# Altium PCB FMC_DAC_125M_14B_16CHA.PcbDoc (part 4 of 9)
Units mm, origin at the board's own origin, x right, y up, seen from the top; angles counter-clockwise.
Board outline 77.15 x 69 mm, 8 copper layers (L1, P2, L3, P4, L5, P6, L7, L8), stack 1.438 mm thick; 612 components, 516 nets, 2304 pads, 1339 vias.
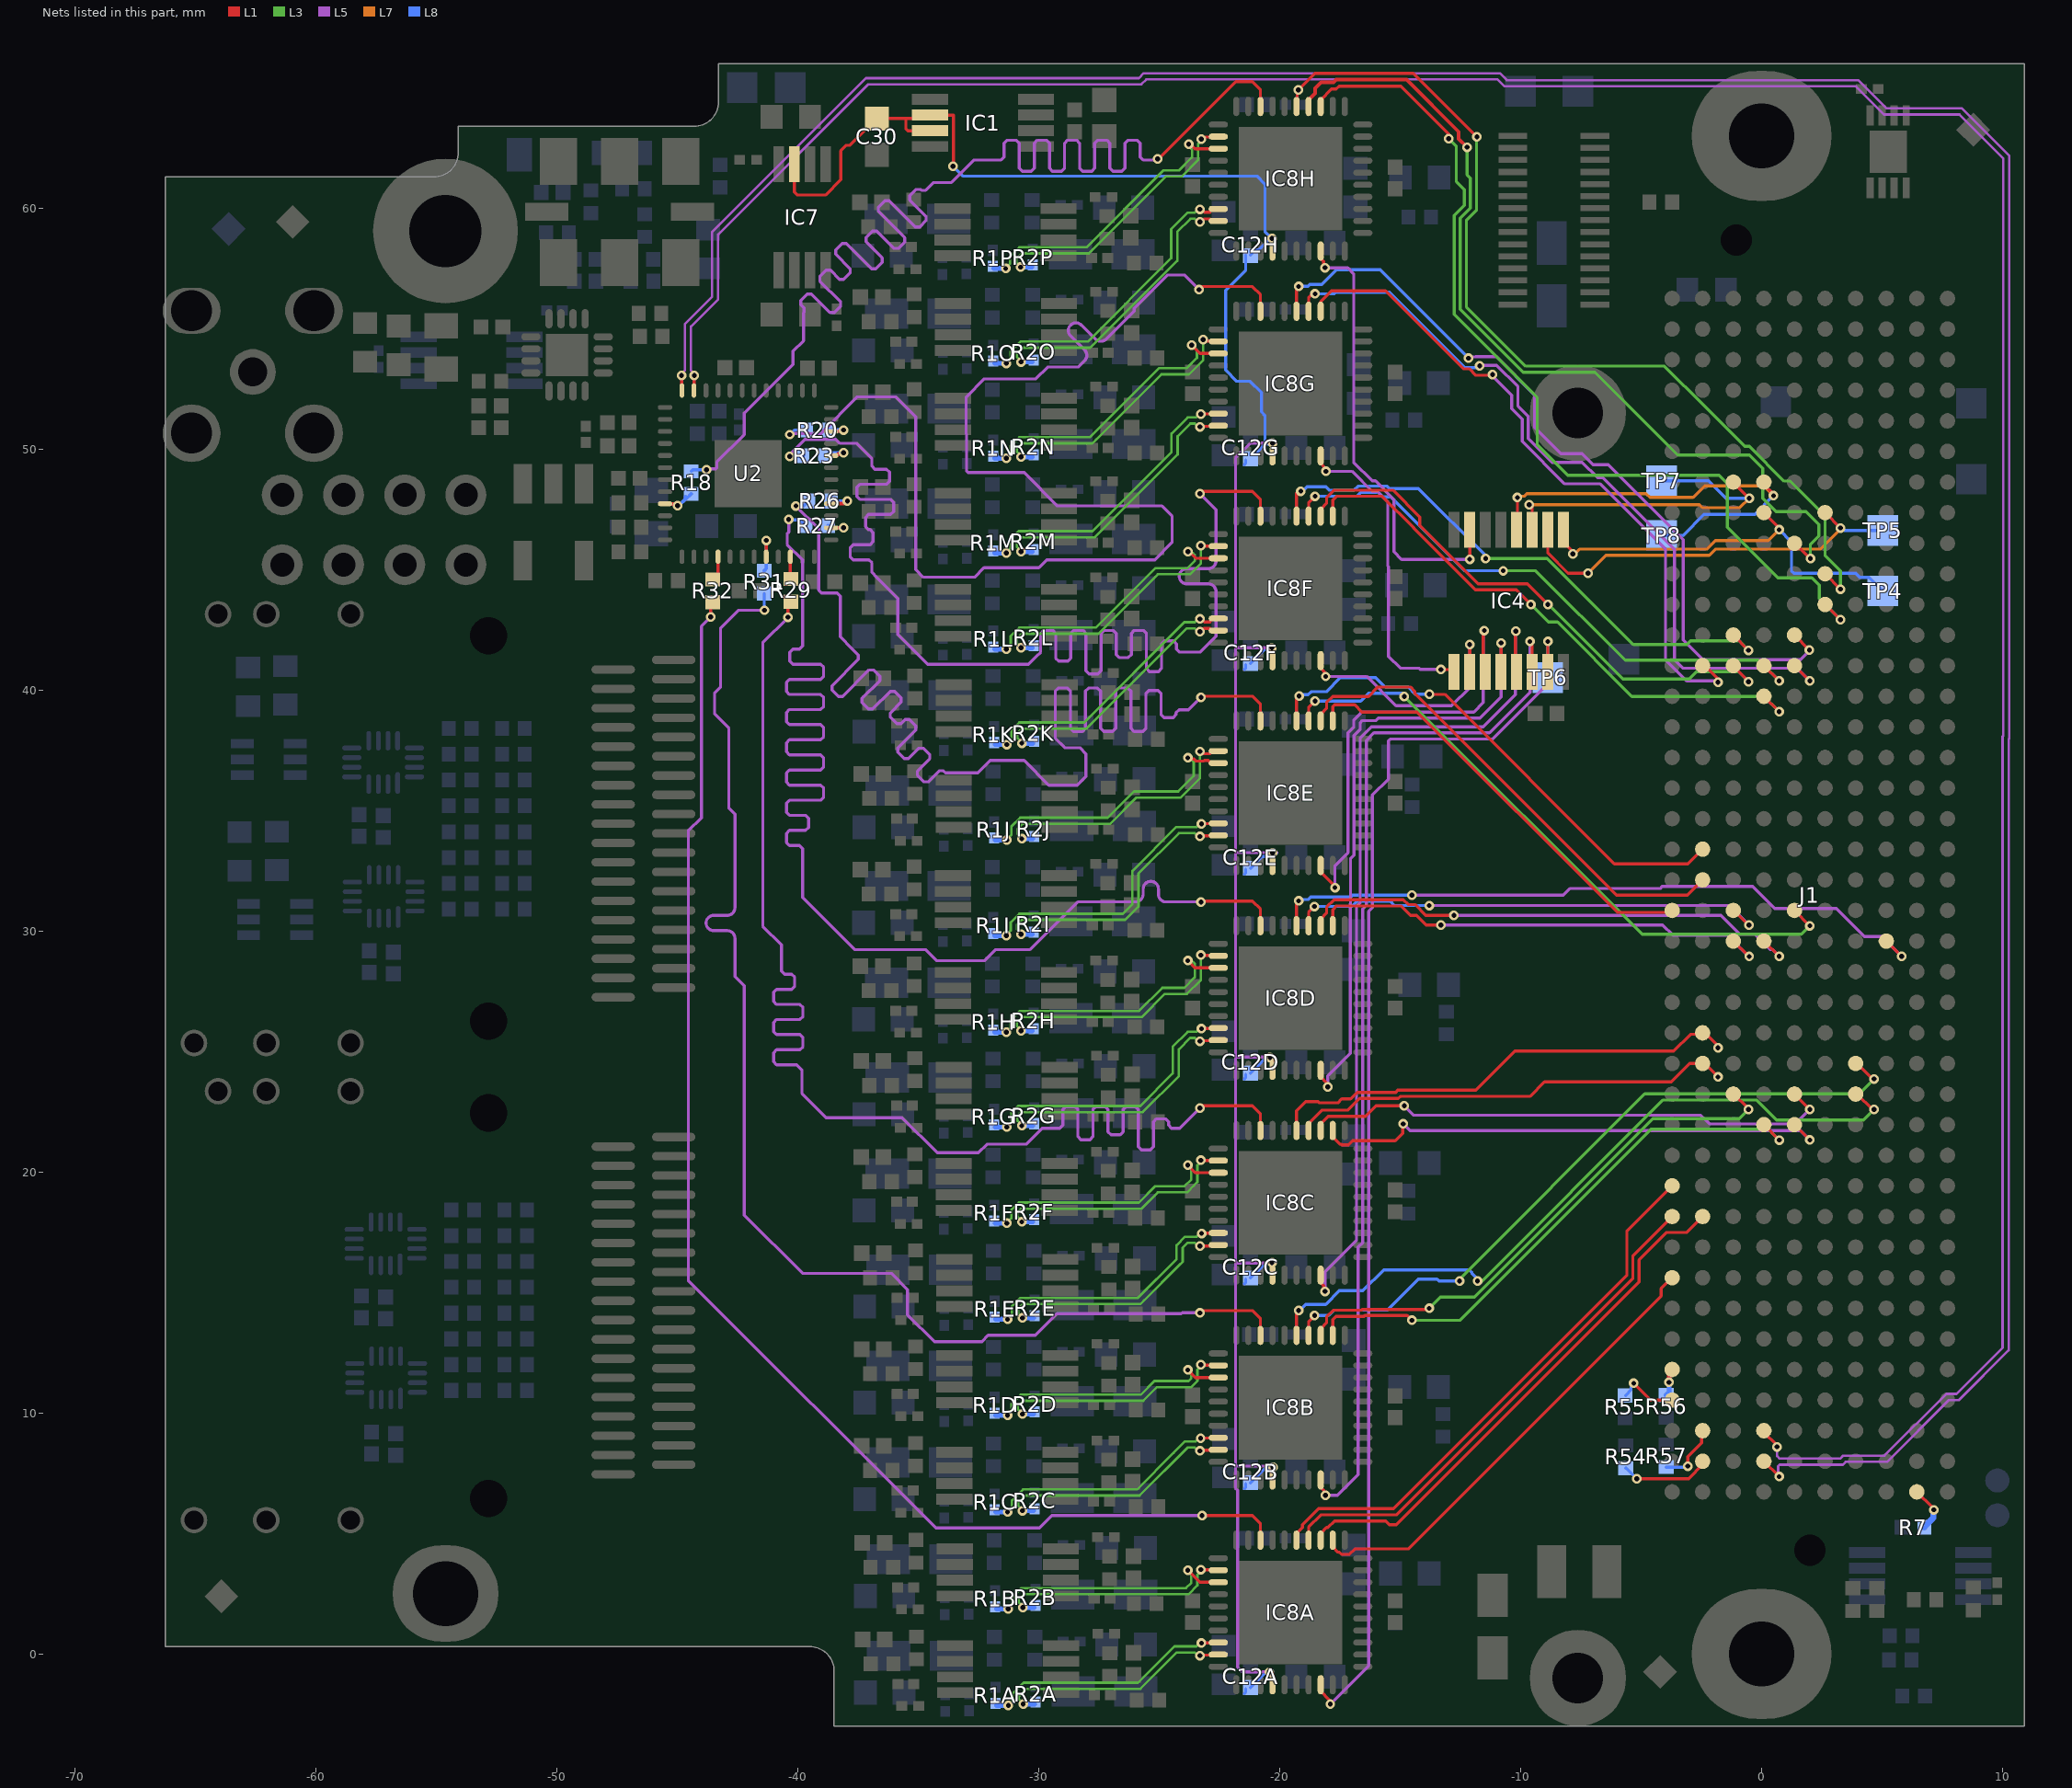
[diagram p10: the nets of this part, all layers, seen from the top]

## Via types
v1: diameter 0.4, hole 0.2, L1 to L8, tented both sides, 1114 vias
v2: diameter 0.5, hole 0.2, L1 to L8, tented both sides, 132 vias
v3: diameter 0.4, hole 0.2, L1 to L8, 61 vias
v4: diameter 0.6, hole 0.3, L1 to L8, tented both sides, 30 vias
v5: diameter 0.6, hole 0.3, L1 to L8, 2 vias

## Nets (pads, with @x,y where several pads share a name; then routed paths per layer and width w, separated by ;. In a path a pad name is that pad's centre, name@x,y a point inside that pad or via, vN(x,y) a via of type N, cw(c..) or ccw(c..) an arc to the next point about the centre after c; other vN are vias at no path point) (continued)
CLK1_M2C_N: J1.g3 U2.47 | length 126.4
  L1 w0.127: U2.47@-44.315,52.436 -44.308,52.443 -44.308,53.049 v1(-44.301,53.056) ; J1.g3@0.095,9.205 0.644,8.656 v1(0.644,8.596) v1@0.644,8.483
  L5 w0.102: v1(-44.301,53.056) -44.301,53.128 -44.438,53.264 -44.438,55.089 -43.314,56.213 -43.314,58.905 -37.074,65.145 -25.744,65.145 -25.544,65.345 -10.961,65.345 -10.677,65.061 3.911,65.061 5.085,63.888 8.211,63.888 8.662,63.437 10.026,62.073 10.026,38.104 10.001,38.078 10.001,12.703 8.093,10.795 7.673,10.795 5.104,8.226 3.389,8.226 3.268,8.105 0.747,8.105 0.644,8.208 v1(0.644,8.596)
CLK1_M2C_P: J1.g2 U2.48 | length 127.6
  L1 w0.127: v1(-44.828,53.056) -44.821,53.049 -44.821,52.443 U2.48@-44.815,52.436 ; J1.g2@0.095,7.996 v1(0.73,7.361)
  L5 w0.102: v1(-44.828,53.056) -44.828,53.128 -44.692,53.264 -44.692,55.195 -43.568,56.318 -43.568,59.01 -37.179,65.399 -25.85,65.399 -25.649,65.599 -10.856,65.599 -10.572,65.315 4.017,65.315 5.19,64.142 8.316,64.142 10.28,62.178 10.28,37.999 10.255,37.973 10.255,12.598 8.198,10.541 7.778,10.541 5.209,7.972 3.494,7.972 3.373,7.851 0.747,7.851 0.687,7.792 0.687,7.404 v1(0.73,7.361)
CLK2_BIDIR_N: J1.k5 R56.2 | length 1.2
  L1 w0.195: v1(-3.842,11.272) -3.842,11.679 J1.k5@-3.715,11.806
  L8 w0.195: R56.2@-3.964,10.744 -3.842,10.866 v1(-3.842,11.272)
CLK2_BIDIR_P: J1.k4 R55.2 | length 2.5
  L1 w0.127: v1(-5.308,11.233) -4.61,10.536 J1.k4@-3.715,10.536 ; v1@-5.283,11.233 v1@-5.269,11.233
  L8 w0.127: R55.2@-5.648,10.726 -5.421,10.952 -5.421,11.046 -5.308,11.159 v1(-5.308,11.233)
CLK3_BIDIR_N: J1.j3 R57.2 | length 2.6
  L1 w0.127: v1(-3.061,7.793) v1(-3.061,7.793) -3.059,8.189 -2.493,8.755 -2.493,9.218 J1.j3@-2.445,9.266
  L8 w0.127: R57.2@-3.964,7.754 -3.1,7.754 v1(-3.061,7.793)
CLK3_BIDIR_P: J1.j2 R54.2 | length 3.8
  L1 w0.127: v1(-5.183,7.274) -3.028,7.274 -2.445,7.857 J1.j2@-2.445,7.996
  L8 w0.127: R54.2@-5.643,7.71 -5.623,7.71 -5.187,7.274 v1(-5.183,7.274)
CLK_DIR: J1.b1 R7.2 | length 1.9
  L1 w0.127: J1.b1@6.445,6.726 6.45,6.726 6.45,6.723 7.083,6.091 7.083,6.049 v1(7.152,5.979)
  L8 w0.254: R7.2@6.755,5.256 6.755,5.276 7.124,5.645 7.124,5.951 v1(7.152,5.979)
CS_A0: IC4.1 J1.g33 TP4.1 | length 17.3
  L1 w0.127: IC4.1@-8.222,46.658 -8.222,46.133 -7.834,45.746 v1(-7.834,45.65) ; J1.g33@0.095,47.366 0.73,46.731 v1(0.73,46.659)
  L3 w0.127: v1(-7.834,45.65) -7.76,45.65 v1@-7.698,45.587
  L7 w0.127: v1(-7.834,45.65) -7.76,45.65 -7.559,45.851 -2.28,45.851 -1.92,46.21 0.281,46.21 v1(0.73,46.659)
  L8 w0.127: v1(0.73,46.659) 1.238,46.151 1.238,44.956 1.341,44.853 3.901,44.853 4.07,44.684 4.457,44.684 TP4.1@5.029,44.113
CS_A1: IC4.2 J1.e33 TP5.1 | length 17
  L1 w0.127: IC4.2@-8.872,46.658 -8.872,45.69 -8.035,44.853 v1(-7.201,44.853) ; J1.e33@2.635,47.366 v1(3.27,46.731)
  L7 w0.127: v1(-7.201,44.853) -7.161,44.853 -7.161,44.893 -6.456,45.597 -2.174,45.597 -1.92,45.851 2.436,45.851 3.27,46.686 v1(3.27,46.731)
  L8 w0.127: v1(3.27,46.731) 3.344,46.731 3.449,46.626 TP5.1@5.029,46.626
CS_A2: IC4.3 J1.h34 TP7.1 | length 15.4
  L1 w0.127: v1(-9.649,47.694) -9.596,47.694 -9.522,47.62 IC4.3@-9.522,46.658 ; J1.h34@-1.175,48.636 -1.175,48.62 -0.519,47.964 v1(-0.511,47.964)
  L7 w0.127: v1(-9.649,47.694) v1(-9.649,47.694) -9.646,47.694 -2.585,47.694 -2.464,47.573 -0.902,47.573 v1(-0.511,47.964)
  L8 w0.127: TP7.1@-4.147,48.689 -2.199,48.689 -1.474,47.964 v1(-0.511,47.964)
CSn: IC4.4 J1.g34 TP8.1 | length 18.5
  L1 w0.127: IC4.4@-10.172,46.658 -10.136,46.693 v1(-10.136,47.994) ; J1.g34@0.095,48.636 0.095,48.543 0.494,48.144 v1(0.494,48.07)
  L7 w0.127: v1(-10.136,47.994) -10.084,48.046 -9.85,48.046 -9.74,48.156 -4.791,48.156 -4.636,48.001 -2.84,48.001 -2.358,48.483 0.081,48.483 v1(0.494,48.07)
  L8 w0.127: TP8.1@-4.147,46.422 -3.262,46.422 -2.386,47.297 -0.279,47.297 v1(0.494,48.07)
CSn0: IC4.15 IC8A.38 TP6.1 | length 54.1
  L1 w0.127: IC8A.38@-18.302,-1.278 -18.302,-1.553 -17.954,-1.9 -17.954,-2.031 v1(-17.902,-2.084) ; IC4.15@-8.872,40.758 v1(-8.872,42.019)
  L5 w0.127: v1(-17.902,-2.084) -16.305,-0.487 -16.305,30.816 -16.153,30.969 -16.153,35.647 -15.49,36.309 -15.49,37.895 -15.416,37.97 -11.165,37.97 -8.872,40.263 v1(-8.872,42.019)
  L8 w0.127: TP6.1@-8.872,40.52 v1(-8.872,42.019)
CSn0B: IC4.14 IC8B.38 | length 43.9
  L1 w0.127: IC8B.38@-18.302,7.222 -18.302,6.914 v1@-18.158,6.77 ; v1(-9.615,42.019) -9.615,41.945 -9.522,41.852 IC4.14@-9.522,40.758
  L5 w0.127: v1(-18.106,6.58) -17.604,6.58 -16.742,7.442 -16.742,16.886 -16.559,17.069 -16.559,30.921 -16.407,31.074 -16.407,37.908 -16.091,38.224 -11.298,38.224 -9.615,39.907 v1(-9.615,42.019)
CSn0C: IC4.13 IC8C.38 | length 35.9
  L1 w0.127: IC8C.38@-18.302,15.722 -18.302,15.414 -18.178,15.29 -18.178,15.098 v1(-18.125,15.046) ; v1(-10.199,42.444) -10.215,42.429 -10.215,40.801 IC4.13@-10.172,40.758
  L5 w0.127: v1(-18.125,15.046) -18.125,15.862 -16.813,17.174 -16.813,31.027 -16.661,31.179 -16.661,38.013 -16.197,38.478 -11.556,38.478 -10.215,39.818 -10.215,42.429 v1(-10.199,42.444)
CSn0D: IC4.12 IC8D.38 | length 26.2
  L1 w0.127: IC8D.38@-18.302,24.222 -18.302,23.947 -18.062,23.707 -18.062,23.581 v1(-18.01,23.529) ; IC4.12@-10.822,40.758 -10.815,40.765 v1(-10.815,41.956)
  L5 w0.127: v1(-18.01,23.529) -18.01,23.987 -17.067,24.929 -17.067,31.132 -17.064,31.135 -17.064,33.002 -16.915,33.151 -16.915,38.119 -16.661,38.373 -16.661,38.657 -16.587,38.732 -16.02,38.732 -15.915,38.837 -11.686,38.837 -10.815,39.708 v1(-10.815,41.956)
CSn0E: IC4.11 IC8E.38 | length 18.9
  L1 w0.127: IC8E.38@-18.302,32.722 -18.302,32.447 -17.71,31.855 v1(-17.71,31.803) ; v1(-11.513,42.472) -11.556,42.429 -11.556,40.842 IC4.11@-11.472,40.758
  L5 w0.127: v1(-17.71,31.803) -17.71,32.715 -17.169,33.256 -17.169,38.224 -16.93,38.462 -16.93,38.747 -16.587,39.091 -11.946,39.091 -11.556,39.482 -11.556,42.429 v1(-11.513,42.472)
CSn0F: IC4.10 IC8F.38 | length 10.5
  L1 w0.127: IC8F.38@-18.302,41.222 -18.302,40.914 -18.145,40.757 -18.145,40.619 v1(-18.093,40.567) ; IC4.10@-12.122,40.758 -12.115,40.765 v1(-12.115,41.896)
  L5 w0.127: v1(-18.093,40.567) -16.394,40.567 -15.176,39.349 -12.874,39.349 -12.115,40.108 v1(-12.115,41.896)
CSn0G: IC4.9 IC8G.38 | length 13.2
  L1 w0.127: IC8G.38@-18.302,49.722 -18.302,49.414 -18.132,49.244 -18.132,49.132 v1(-18.079,49.08) ; v1(-13.315,40.856) -12.869,40.856 IC4.9@-12.772,40.758
  L5 w0.127: v1(-18.079,49.08) -17.005,49.08 -16.164,48.239 -15.947,48.239 -15.515,47.807 -15.515,45.145 -15.49,45.121 -15.49,41.402 -14.999,40.911 -14.222,40.911 -14.17,40.859 -13.319,40.859 v1(-13.315,40.856)
CSn0H: IC4.7 IC8H.38 | length 18.9
  L1 w0.127: IC8H.38@-18.302,58.222 -18.302,57.914 -18.177,57.789 -18.177,57.581 v1(-18.125,57.529) ; IC4.7@-12.122,46.658 -12.115,46.651 v1(-12.115,45.429)
  L5 w0.127: v1(-18.125,57.529) -17.176,57.529 -16.93,57.283 -16.93,49.451 -16.161,48.681 -16.03,48.681 -15.261,47.912 -15.261,45.746 -14.944,45.429 v1(-12.115,45.429)
DAC_CLK0: IC8A.18 R32.2 | length 57.7
  L1 w0.127: v1(-43.619,43.036) -43.619,43.57 R32.2@-43.536,43.652 ; v1@-23.315,5.656 v1(-23.222,5.748) -21.14,5.748 -20.802,5.41 IC8A.18@-20.802,4.722
  L5 w0.127: v1(-43.619,43.036) -44.005,42.65 -44.005,34.701 -44.547,34.159 -44.547,15.502 -34.277,5.232 -29.979,5.232 -29.462,5.748 v1(-23.222,5.748)
DAC_CLK1: IC8B.18 R31.2 | length 55.2
  L1 w0.127: v1(-23.315,14.156) -23.222,14.248 -21.14,14.248 -20.802,13.91 IC8B.18@-20.802,13.222
  L5 w0.127: v1(-41.383,43.314) -42.48,43.314 -43.209,42.585 -43.209,40.134 -43.457,39.886 -43.457,39.004 -42.865,38.413 -42.865,35.098 -42.615,34.847 -42.615,32.06 -42.615,30.97 cw(c-42.932,30.97) -42.932,30.653 -43.492,30.653 ccw(c-43.492,30.335) -43.492,30.018 -42.932,30.018 cw(c-42.932,29.7) -42.615,29.7 -42.615,29.637 -42.615,28.113 -42.228,27.726 -42.228,18.213 -39.808,15.794 -36.121,15.794 -35.445,15.118 -35.445,14.072 -34.334,12.961 -32.364,12.961 -32.102,13.222 -30.136,13.222 -29.242,14.117 -24.086,14.117 -24.047,14.156 v1(-23.315,14.156)
  L8 w0.127: R31.2@-41.4,44.014 -41.4,43.331 v1(-41.383,43.314)
DAC_CLK2: IC8C.18 R29.2 | length 57.6
  L1 w0.127: v1(-40.415,43.028) -40.415,43.546 R29.2@-40.291,43.67 ; v1(-23.315,22.656) -23.222,22.748 -21.14,22.748 -20.802,22.41 IC8C.18@-20.802,21.722
  L5 w0.127: v1(-40.415,43.028) -40.415,43.009 -41.456,41.968 -41.456,30.202 -40.681,29.427 -40.681,29.243 -40.681,28.336 -40.556,28.211 -40.261,28.211 -40.136,28.086 -40.136,27.709 -40.261,27.584 -40.883,27.584 -41.008,27.459 -41.008,27.082 -40.883,26.957 -39.917,26.957 -39.792,26.832 -39.792,26.455 -39.917,26.33 -40.883,26.33 -41.008,26.205 -41.008,25.828 -40.883,25.703 -39.917,25.703 -39.792,25.578 -39.792,25.201 -39.917,25.076 -40.883,25.076 -41.008,24.951 -41.008,24.574 -40.883,24.449 -40.056,24.449 -39.993,24.385 -39.83,24.222 -39.83,23.254 -38.832,22.256 -35.679,22.256 -34.22,20.797 -32.503,20.797 -32.145,21.155 -30.519,21.155 -29.856,21.818 -29.194,21.818 -29.131,21.818 -29.005,21.943 -29.005,22.592 -28.88,22.718 -28.504,22.718 -28.378,22.592 -28.378,21.466 -28.253,21.34 -27.877,21.34 -27.751,21.466 -27.751,22.592 -27.626,22.718 -27.25,22.718 -27.124,22.592 -27.124,21.671 -26.999,21.545 -26.623,21.545 -26.497,21.671 -26.497,22.592 -26.372,22.718 -25.996,22.718 -25.87,22.592 -25.87,21.043 -25.745,20.918 -25.369,20.918 -25.243,21.043 -25.243,22.081 -25.118,22.206 -24.742,22.206 -24.616,22.081 -24.616,21.943 -24.491,21.818 -24.153,21.818 v1(-23.315,22.656)
DAC_CLK3: IC8D.18 R27.2 | length 56.2
  L1 w0.127: v1(-23.269,31.202) -23.222,31.248 -21.14,31.248 -20.802,30.91 IC8D.18@-20.802,30.222
  L5 w0.127: v1(-40.381,47.086) -40.381,46.558 -40.443,46.496 -40.443,46.042 -39.808,45.407 -39.808,42.067 -39.808,41.826 -39.934,41.701 -40.212,41.701 -40.337,41.575 -40.337,41.199 -40.212,41.074 -39.059,41.074 -38.934,40.948 -38.934,40.572 -39.059,40.447 -40.35,40.447 -40.475,40.321 -40.475,39.945 -40.35,39.82 -39.059,39.82 -38.934,39.694 -38.934,39.318 -39.059,39.193 -40.35,39.193 -40.475,39.067 -40.475,38.691 -40.35,38.566 -39.059,38.566 -38.934,38.44 -38.934,38.064 -39.059,37.939 -40.35,37.939 -40.475,37.813 -40.475,37.437 -40.35,37.312 -39.059,37.312 -38.934,37.186 -38.934,36.81 -39.059,36.685 -40.35,36.685 -40.475,36.559 -40.475,36.183 -40.35,36.058 -39.059,36.058 -38.934,35.932 -38.934,35.556 -39.059,35.431 -40.35,35.431 -40.475,35.305 -40.475,34.929 -40.35,34.804 -39.684,34.804 -39.559,34.678 -39.559,34.302 -39.684,34.177 -40.35,34.177 -40.475,34.051 -40.475,33.675 -40.35,33.55 -39.934,33.55 -39.808,33.424 -39.808,33.361 -39.808,31.389 -37.649,29.23 -34.708,29.23 -34.251,28.773 -32.24,28.773 -31.783,29.23 -30.364,29.23 -28.383,31.211 -26.515,31.211 -25.988,31.211 ccw(c-25.988,31.529) -25.67,31.529 -25.67,31.748 cw(c-25.353,31.748) -25.035,31.748 -25.035,31.529 ccw(c-24.718,31.529) -24.718,31.211 -24.019,31.211 -23.278,31.211 v1(-23.269,31.202)
  L8 w0.127: v1(-40.381,47.086) -40.363,47.068 -39.917,47.068 -39.69,46.842 R27.2@-39.69,46.822
DAC_CLK4: IC8E.18 R26.2 | length 56.2
  L1 w0.127: v1(-23.269,39.702) -23.222,39.748 -21.14,39.748 -20.802,39.41 IC8E.18@-20.802,38.722
  L5 w0.127: v1(-40.081,47.646) -39.141,46.706 -39.141,44.217 -39.141,44.153 -39.016,44.028 -38.366,44.028 -38.241,43.903 -38.241,43.526 ; -38.241,43.714 -38.241,43.526 ; v1(-23.269,39.702) -23.784,39.187 -24.086,39.187 -24.174,39.187 -24.299,39.062 -24.299,38.988 -24.425,38.862 -24.801,38.862 -24.926,38.988 -24.926,39.865 -25.052,39.99 -25.428,39.99 -25.553,39.865 -25.553,38.412 -25.679,38.287 -26.055,38.287 -26.18,38.412 -26.18,39.962 -26.306,40.087 -26.682,40.087 -26.807,39.962 -26.807,38.412 -26.933,38.287 -27.309,38.287 -27.434,38.412 -27.434,39.962 -27.56,40.087 -27.936,40.087 -28.061,39.962 -28.061,38.412 -28.187,38.287 -28.563,38.287 -28.688,38.412 -28.688,39.962 -28.814,40.087 -29.19,40.087 -29.315,39.962 -29.315,38.361 -29.315,37.996 -28.929,37.61 -28.299,37.61 -28.043,37.354 -28.043,36.418 -28.403,36.058 -29.583,36.058 -30.611,37.085 -32.019,37.085 -32.533,36.571 -33.719,36.571 -33.876,36.571 -33.958,36.653 -34.136,36.653 -34.595,36.194 -34.772,36.194 -35.038,36.46 -35.038,36.637 -34.528,37.148 -34.528,37.325 -34.794,37.591 -34.971,37.591 -35.404,37.158 -35.582,37.158 -35.848,37.424 -35.848,37.601 -35.105,38.344 -35.105,38.521 -35.371,38.787 -35.549,38.787 -35.722,38.614 -35.899,38.614 -36.165,38.88 -36.165,39.057 -35.716,39.506 -35.716,39.684 -35.982,39.95 -36.159,39.95 -36.893,39.216 -37.07,39.216 -37.336,39.482 -37.336,39.66 -36.603,40.393 -36.603,40.57 -36.869,40.836 -37.046,40.836 -38.142,39.741 -38.319,39.741 -38.585,40.007 -38.585,40.184 -37.489,41.28 -37.489,41.457 -37.755,41.723 -38.241,42.209 -38.241,43.526
  L8 w0.127: v1(-40.081,47.646) -39.769,47.646 R26.2@-39.567,47.848
DAC_CLK5: IC8F.18 R23.2 | length 56
  L1 w0.127: v1(-23.315,48.156) -23.222,48.248 -21.14,48.248 -20.802,47.91 IC8F.18@-20.802,47.222
  L5 w0.127: v1(-40.338,49.699) -40.338,49.77 -39.706,50.401 -38.424,50.401 -38.268,50.245 -37.564,50.245 -36.929,49.61 -36.929,49.359 -36.929,49.295 -36.803,49.17 -36.323,49.17 -36.198,49.045 -36.198,48.668 -36.323,48.543 -37.429,48.543 -37.554,48.418 -37.554,48.041 -37.429,47.916 -36.154,47.916 -36.029,47.791 -36.029,47.414 -36.154,47.289 -37.068,47.289 -37.193,47.164 -37.193,46.787 -37.068,46.662 -37.007,46.662 -36.881,46.537 -36.881,46.16 -37.007,46.035 -37.703,46.035 -37.829,45.91 -37.829,45.533 -37.703,45.408 -37.054,45.408 -36.929,45.283 -36.929,44.884 -36.733,44.688 -35.848,43.802 -35.848,42.306 -34.616,41.074 -30.427,41.074 -30.113,41.388 -29.924,41.577 -29.924,42.35 -29.799,42.475 -29.422,42.475 -29.297,42.35 -29.297,41.328 -29.172,41.203 -28.795,41.203 -28.67,41.328 -28.67,42.35 -28.545,42.475 -28.168,42.475 -28.043,42.35 -28.043,40.801 -27.918,40.675 -27.541,40.675 -27.416,40.801 -27.416,42.35 -27.291,42.475 -26.914,42.475 -26.789,42.35 -26.789,41.476 -26.664,41.35 -26.287,41.35 -26.162,41.476 -26.162,42.35 -26.037,42.475 -25.66,42.475 -25.535,42.35 -25.535,40.897 -25.41,40.771 -25.033,40.771 -24.908,40.897 -24.908,41.918 -24.783,42.044 -24.406,42.044 -24.281,41.918 -24.281,41.701 -24.156,41.575 -23.867,41.575 -23.306,41.575 -22.647,42.234 -22.647,44.028 -22.647,44.092 ccw(c-22.964,44.092) -22.964,44.409 -23.853,44.409 cw(c-23.853,44.727) -23.853,45.044 -22.964,45.044 ccw(c-22.964,45.362) -22.647,45.362 -22.647,46.861 -22.647,47.488 v1(-23.315,48.156)
  L8 w0.127: v1(-40.338,49.699) -39.794,49.699 R23.2@-39.74,49.753
DAC_CLK6: IC8G.18 R20.2 | length 56
  L1 w0.127: v1(-23.352,56.619) -23.222,56.748 -21.14,56.748 -20.802,56.41 IC8G.18@-20.802,55.722
  L5 w0.127: v1(-40.34,50.606) -40.291,50.655 -39.045,50.655 -37.527,52.172 -35.942,52.172 -35.105,51.335 -35.105,44.999 -34.794,44.688 -32.668,44.688 -32.276,45.08 -30.002,45.08 -29.675,45.407 -25.187,45.407 -24.47,46.123 -24.47,47.23 -24.887,47.646 -29.228,47.646 -30.608,49.026 -32.927,49.026 -33.001,49.1 -33.001,50.627 -33.018,50.643 -33.018,52.169 -32.272,52.915 -30.124,52.915 -29.628,53.411 -28.364,53.411 -28.148,53.627 -28.103,53.672 ccw(c-28.328,53.896) -28.103,54.121 -28.682,54.7 cw(c-28.457,54.924) -28.682,55.149 cw(c-28.457,54.924) -28.233,55.149 -27.654,54.57 ccw(c-27.43,54.795) -27.205,54.57 -26.048,55.727 -26.037,55.738 -26.037,55.846 -24.652,57.23 -23.963,57.23 v1(-23.352,56.619)
  L8 w0.127: v1(-40.34,50.606) -40.329,50.606 -40.14,50.795 R20.2@-39.669,50.795
DAC_CLK7: IC8H.18 R18.2 | length 56.1
  L1 w0.127: v1(-25.07,62.05) -25.04,62.08 -24.994,62.08 -21.825,65.248 -21.14,65.248 -20.802,64.91 IC8H.18@-20.802,64.222
  L5 w0.127: v3(-43.792,49.144) -43.754,49.181 -43.401,49.181 -43.364,49.218 -43.364,49.461 -42.221,50.604 -42.221,51.491 -40.2,53.512 -40.2,54.067 -39.771,54.497 -39.771,55.621 -39.771,55.666 -39.749,55.688 -39.749,55.866 -39.879,55.996 -39.879,56.173 -39.613,56.439 -39.435,56.439 -38.669,55.673 -38.492,55.673 -38.226,55.939 -38.226,56.116 -39.09,56.98 -39.09,57.157 -38.824,57.423 -38.646,57.423 -38.274,57.051 -38.097,57.051 -37.831,57.317 -37.831,57.495 -38.434,58.098 -38.434,58.276 -38.168,58.542 -37.991,58.542 -36.941,57.492 -36.764,57.492 -36.498,57.758 -36.498,57.935 -37.172,58.609 -37.172,58.786 -36.906,59.052 -36.728,59.052 -36.009,58.333 -35.831,58.333 -35.565,58.599 -35.565,58.776 -36.661,59.872 -36.661,60.049 -36.395,60.315 -36.218,60.315 -35.122,59.22 -34.945,59.22 -34.679,59.486 -34.679,59.663 -35.353,60.337 -35.353,60.515 -35.087,60.781 -34.91,60.781 -34.872,60.743 -34.694,60.743 -34.573,60.864 -34.371,61.066 -33.628,61.066 -32.693,62.001 -31.63,62.001 -31.566,62.001 -31.441,62.126 -31.441,62.696 -31.315,62.822 -30.939,62.822 -30.814,62.696 -30.814,61.662 -30.688,61.536 -30.312,61.536 -30.187,61.662 -30.187,62.696 -30.061,62.822 -29.685,62.822 -29.56,62.696 -29.56,61.662 -29.434,61.536 -29.058,61.536 -28.933,61.662 -28.933,62.696 -28.807,62.822 -28.431,62.822 -28.306,62.696 -28.306,61.662 -28.18,61.536 -27.804,61.536 -27.679,61.662 -27.679,62.696 -27.553,62.822 -27.177,62.822 -27.052,62.696 -27.052,61.662 -26.926,61.536 -26.55,61.536 -26.425,61.662 -26.425,62.696 -26.299,62.822 -25.923,62.822 -25.798,62.696 -25.798,62.126 -25.672,62.001 -25.535,62.001 -25.119,62.001 v1(-25.07,62.05)
  L8 w0.127: v3@-43.72,49.169 -43.745,49.144 v3(-43.792,49.144) R18.2@-44.348,49.144 ; R18.2@-44.348,49.144 -44.368,49.144 R18.2@-44.431,49.08 -44.411,49.08 R18.2@-44.348,49.144
DAC_CLKR0: R32.1 U2.16 | length 0.9
  L1 w0.145: U2.16@-43.315,45.536 -43.315,44.611 R32.1@-43.314,44.61
DAC_CLKR1: R31.1 U2.20 | length 2
  L1 w0.145: U2.20@-41.315,45.536 -41.312,45.539 -41.312,46.208 v1(-41.309,46.211)
  L8 w0.145: R31.1@-41.4,44.954 -41.309,45.045 v1(-41.309,46.211)
DAC_CLKR2: R29.1 U2.22 | length 0.9
  L1 w0.145: U2.22@-40.315,45.536 -40.315,44.634 R29.1@-40.291,44.61
DAC_CLKR3: R27.1 U2.26 | length 1.2
  L1 w0.145: U2.26@-38.615,46.736 -38.611,46.739 -38.106,46.739 v1(-38.103,46.743)
  L8 w0.145: R27.1@-38.751,46.822 -38.672,46.743 v1(-38.103,46.743)
DAC_CLKR4: R26.1 U2.28 | length 1.4
  L1 w0.145: U2.28@-38.615,47.736 -38.604,47.746 -38.116,47.746 -38.014,47.848 v1(-37.945,47.848)
  L8 w0.145: R26.1@-38.627,47.848 v1(-37.945,47.848)
DAC_CLKR5: R23.1 U2.32 | length 1.3
  L1 w0.145: U2.32@-38.615,49.736 -38.4,49.736 -38.329,49.806 -38.155,49.806 v1(-38.107,49.855)
  L8 w0.145: R23.1@-38.8,49.753 -38.698,49.855 v1(-38.107,49.855)
DAC_CLKR6: R20.1 U2.34 | length 1.2